# KiCad board 128CR.kicad_pcb
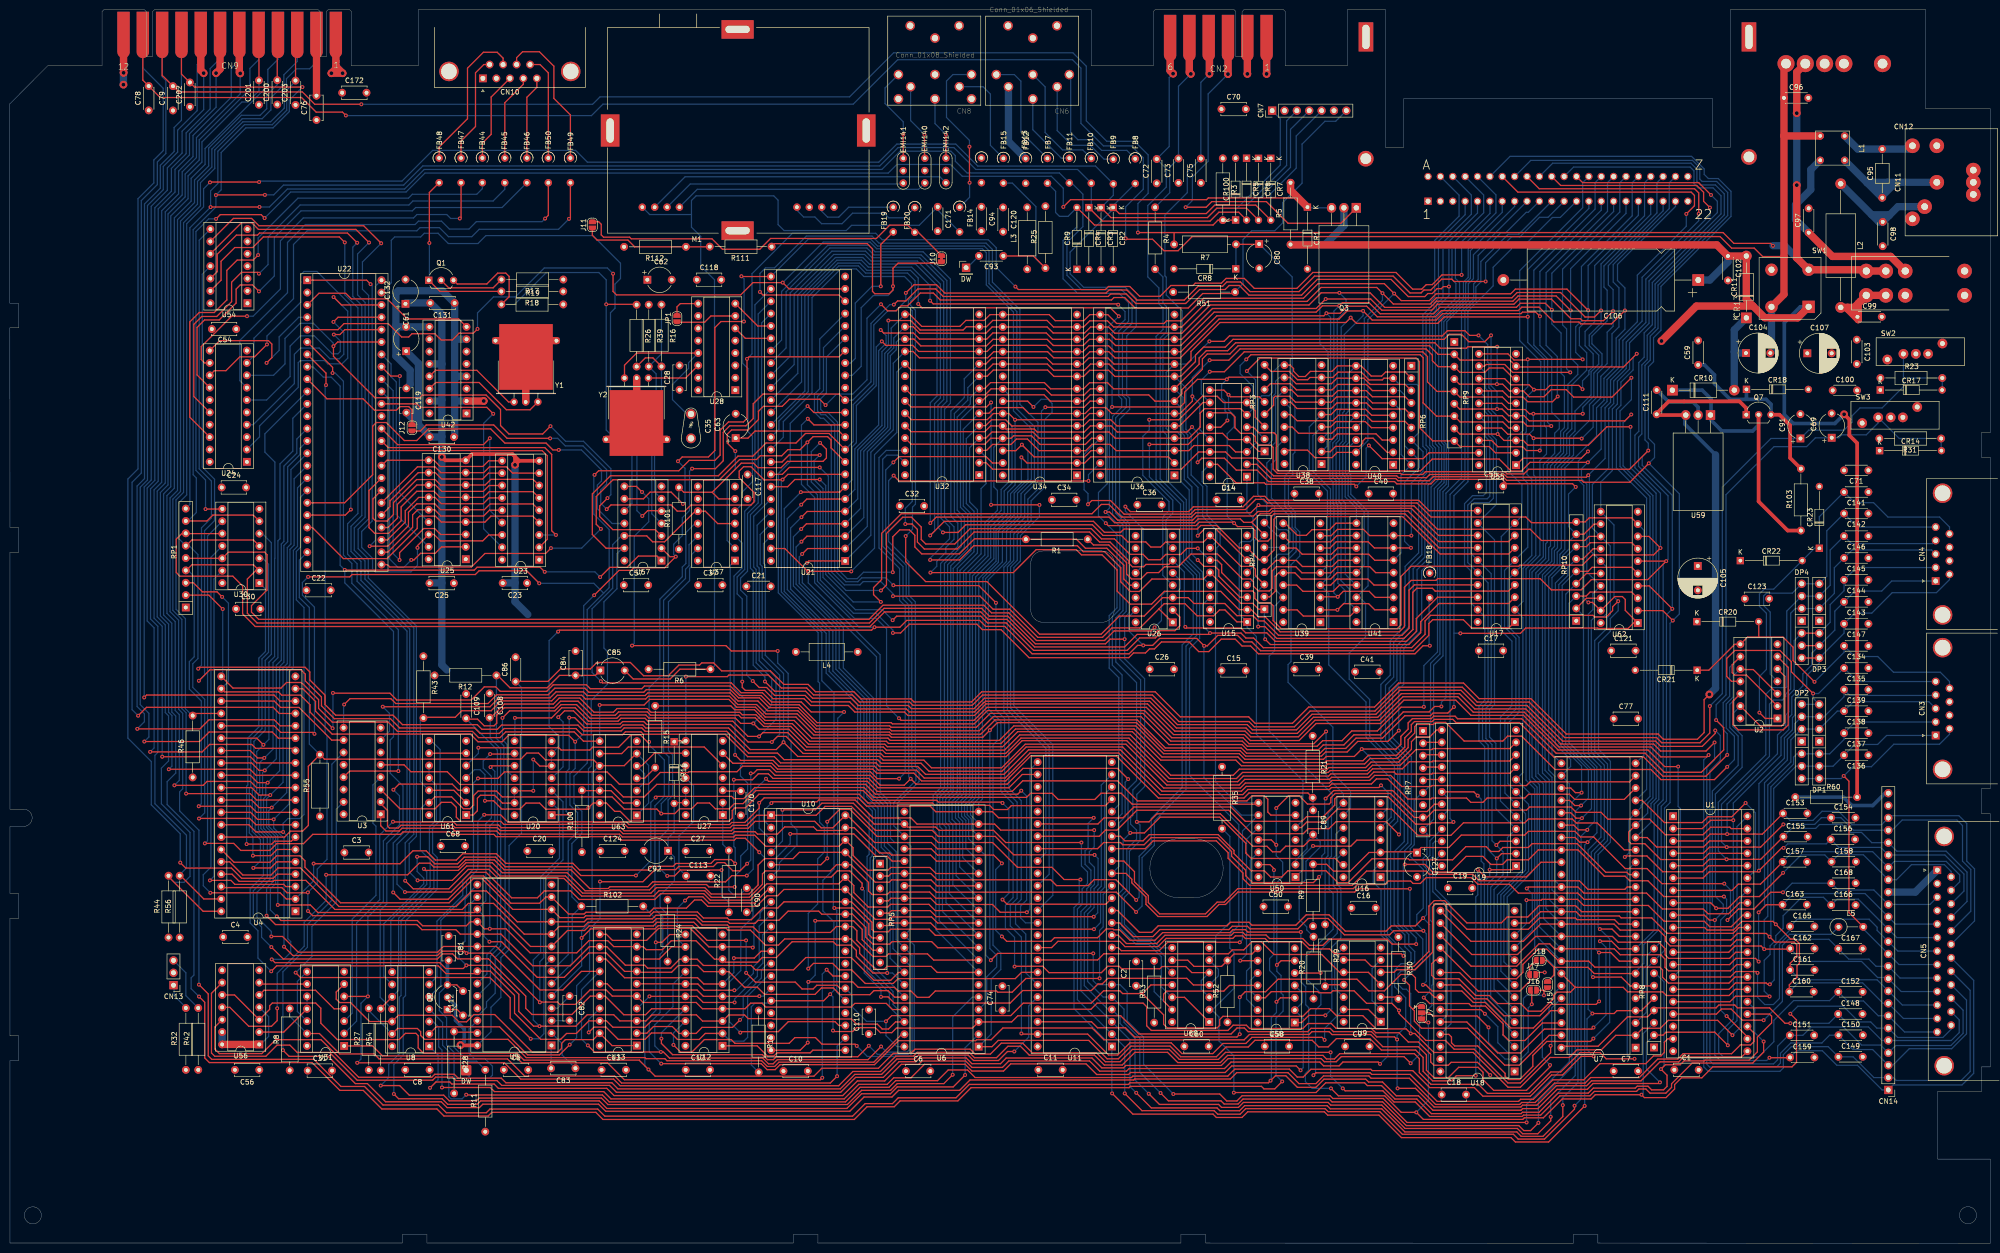
[diagram p0: board, top side]
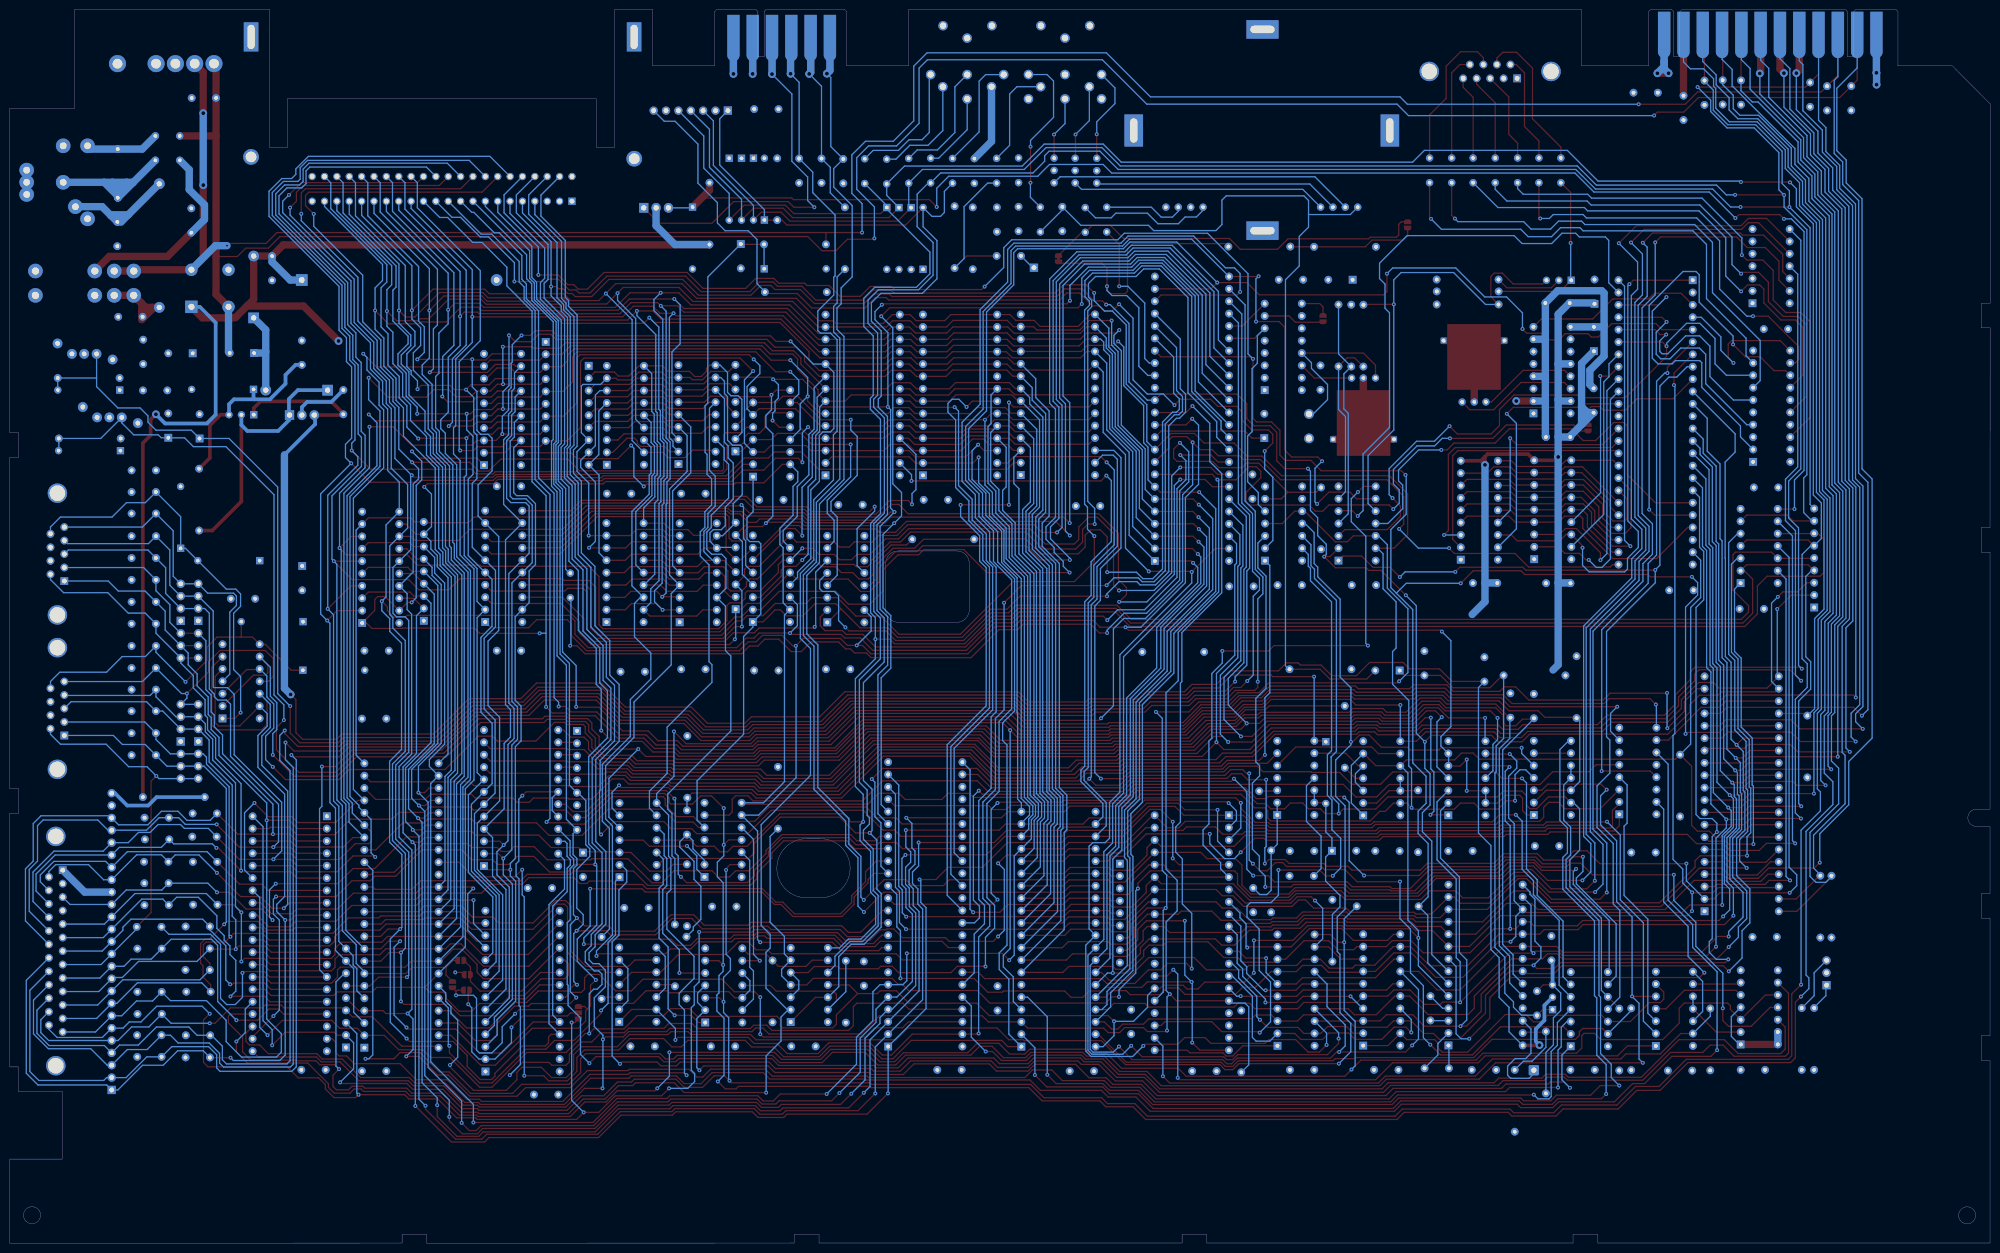
[diagram p1: board, bottom side, seen from below]

Outline 406.58 x 253.39 mm; copper layers: Top, In1.Cu, In2.Cu, Bottom. Coordinates in mm from the lower left corner of the outline.
Outline path: circle c4.75,5.74 r1.75 ; circle c402.01,5.77 r1.75 ; 0,234.04 7.77,241.86 18.95,241.86 18.95,253.01 19.33,253.39 27.66,253.39 28.04,253.01 28.04,243.74 29.31,243.74 29.31,253.01 29.69,253.39 63.32,253.39 63.7,253.01 63.7,243.74 64.97,243.74 64.97,253.01 65.35,253.39 69.77,253.39 70.15,253.01 70.15,241.86 83.87,241.86 83.87,253.39 222.05,253.39 222.05,241.86 234.75,241.86 234.75,253.01 235.13,253.39 251.33,253.39 251.71,253.01 251.71,243.74 252.98,243.74 252.98,253.01 253.36,253.39 261.49,253.39 261.87,253.01 261.87,241.86 274.57,241.86 274.57,253.39 282.45,253.39 282.45,225.09 286.13,225.09 286.13,235.1 349.63,235.1 349.63,225.09 353.19,225.09 353.19,253.39 393.32,253.39 393.32,233.07 406.58,233.07 406.55,166.52 404.77,166.52 404.77,161.44 406.55,161.44 406.55,93.37 404.77,93.37 404.77,88.29 406.55,88.29 406.55,36.22 404.77,36.22 404.77,31.14 395.78,31.14 395.78,17.3 406.55,17.3 406.55,0 326.03,0.05 326.03,1.83 320.95,1.83 320.95,0.03 245.52,0.05 245.52,1.83 240.44,1.83 240.44,0.05 165.91,0.05 165.91,1.83 160.83,1.83 160.83,0.05 85.65,0.05 85.65,1.83 80.57,1.83 80.57,0.05 0.05,0.05 0.05,37.54 1.83,37.54 1.83,42.62 0.05,42.62 0.05,66.75 1.83,66.75 1.83,71.83 0.05,71.83 0.05,85.62 2.79,85.62 arc(4.6,87.4) 2.79,89.18 0.05,89.18 0.05,141.94 1.83,141.94 1.83,147.02 0.05,147.02 0.03,188.04 1.8,188.04 1.78,193.12 0.03,193.12 0,234.04 ; 209.6,139.67 209.6,130.12 arc(210.34,128.31) 212.14,127.56 224.18,127.56 arc(225.99,128.29) 226.75,130.1 226.75,139.65 arc(226.01,141.46) 224.21,142.21 212.17,142.21 arc(210.35,141.48) 209.6,139.67 ; 240.13,83.11 243.03,83.11 arc(249.1,77.04) 243.03,70.97 240.13,70.97 arc(234.06,77.04) 240.13,83.11

## Placement (name value [footprint] x y rotation side)
C1  0.1 µF  [C_Disc_D5.0mm_W2.5mm_P5.00mm]  341.72 35.62 0 top
C2  10 nF  [C_Disc_D5.0mm_W2.5mm_P5.00mm]  231.23 52.89 90 top
C3  0.1 µF  [C_Disc_D5.0mm_W2.5mm_P5.00mm]  68.69 80.27 0 top
C4  0.1 µF  [C_Disc_D5.0mm_W2.5mm_P5.00mm]  43.81 62.91 0 top
C5  0.1 µF  [C_Disc_D5.0mm_W2.5mm_P5.00mm]  101.43 35.62 0 top
C6  0.22 µF  [C_Disc_D5.0mm_W2.5mm_P5.00mm]  183.98 35.37 0 top
C7  0.1 µF  [C_Disc_D5.0mm_W2.5mm_P5.00mm]  329.27 35.37 0 top
C8  0.1 µF  [C_Disc_D5.0mm_W2.5mm_P5.00mm]  86.19 35.62 180 top
C9  0.1 µF  [C_Disc_D5.0mm_W2.5mm_P5.00mm]  274.15 40.45 0 top
C10  0.1 µF  [C_Disc_D5.0mm_W2.5mm_P5.00mm]  158.84 35.37 0 top
C11  0.1 µF  [C_Disc_D5.0mm_W2.5mm_P5.00mm]  211.16 35.62 0 top
C12  0.1 µF  [C_Disc_D5.0mm_W2.5mm_P5.00mm]  138.77 35.62 0 top
C13  0.1 µF  [C_Disc_D5.0mm_W2.5mm_P5.00mm]  121.5 35.62 0 top
C14  0.1 µF  [C_Disc_D5.0mm_W2.5mm_P5.00mm]  247.74 152.72 0 top
C15  0.1 µF  [C_Disc_D5.0mm_W2.5mm_P5.00mm]  248.75 117.66 0 top
C16  0.1 µF  [C_Disc_D5.0mm_W2.5mm_P5.00mm]  275.42 68.9 0 top
C17  0.1 µF  [C_Disc_D5.0mm_W2.5mm_P5.00mm]  301.58 121.73 0 top
C18  0.1 µF  [C_Disc_D5.0mm_W2.5mm_P5.00mm]  293.96 30.54 0 top
C19  0.1 µF  [C_Disc_D5.0mm_W2.5mm_P5.00mm]  295.23 72.96 0 top
C20  0.1 µF  [C_Disc_D5.0mm_W2.5mm_P5.00mm]  106.26 80.58 0 top
C21  0.22 µF  [C_Disc_D4.3mm_W1.9mm_P5.00mm]  151.22 134.94 0 top
C22  0.1 µF  [C_Disc_D5.0mm_W2.5mm_P5.00mm]  60.9 134.14 0 top
C23  0.22 µF  [C_Disc_D5.0mm_W2.5mm_P5.00mm]  106.2 135.62 180 top
C24  0.1 µF  [C_Disc_D5.0mm_W2.5mm_P5.00mm]  43.52 155.26 0 top
C25  0.22 µF  [C_Disc_D5.0mm_W2.5mm_P5.00mm]  91.18 135.59 180 top
C26  0.1 µF  [C_Disc_D5.0mm_W2.5mm_P5.00mm]  234.02 117.92 0 top
C27  0.1 µF  [C_Disc_D5.0mm_W2.5mm_P5.00mm]  138.77 80.58 0 top
C28  0.22 µF  [C_Disc_D5.0mm_W2.5mm_P5.00mm]  137.5 175.32 90 top
C30  0.1 µF  [C_Disc_D5.0mm_W2.5mm_P5.00mm]  46.45 130.31 0 top
C31  0.1 µF  [C_Disc_D5.0mm_W2.5mm_P5.00mm]  61.17 35.47 0 top
C32  0.1 µF  [C_Disc_D5.0mm_W2.5mm_P5.00mm]  182.71 151.45 0 top
C34  0.1 µF  [C_Disc_D5.0mm_W2.5mm_P5.00mm]  213.95 152.72 0 top
C35  40pF  [C_Adjustable_L7.0mm_W4.5mm_P5.00mm]  139.85 170.34 270 top
C36  0.1 µF  [C_Disc_D5.0mm_W2.5mm_P5.00mm]  231.48 151.7 0 top
C37  0.1 µF  [C_Disc_D5.0mm_W2.5mm_P5.00mm]  141.31 135.19 0 top
C38  0.22 µF  [C_Disc_D5.0mm_W2.5mm_P5.00mm]  263.74 153.99 0 top
C39  0.22 µF  [C_Disc_D5.0mm_W2.5mm_P5.00mm]  263.74 117.92 0 top
C40  0.22 µF  [C_Disc_D5.0mm_W2.5mm_P5.00mm]  278.98 153.99 0 top
C41  0.22 µF  [C_Disc_D5.0mm_W2.5mm_P5.00mm]  276.18 117.41 0 top
C50  0.1 µF  [C_Disc_D5.0mm_W2.5mm_P5.00mm]  257.39 69.15 0 top
C54  0.1 µF  [C_Disc_D5.0mm_W2.5mm_P5.00mm]  41.49 187.8 0 top
C55  0.1 µF  [C_Disc_D5.0mm_W2.5mm_P5.00mm]  301.58 155.51 0 top
C56  0.1 µF  [C_Disc_D5.0mm_W2.5mm_P5.00mm]  51.23 35.62 180 top
C57  0.1 µF  [C_Disc_D5.0mm_W2.5mm_P5.00mm]  126.07 135.19 0 top
C58  0.1 µF  [C_Disc_D5.0mm_W2.5mm_P5.00mm]  257.64 40.45 0 top
C59  0.1 µF  [C_Disc_D4.3mm_W1.9mm_P5.00mm]  346.61 180.44 90 top
C60  0.1 µF  [C_Disc_D5.0mm_W2.5mm_P5.00mm]  241.13 40.45 0 top
C61  10 µF  [CP_Radial_D5.0mm_P5.00mm]  81.38 183.25 90 top
C62  10 µF  [CP_Radial_D5.0mm_P5.00mm]  130.9 197.93 0 top
C63  100 µF  [CP_Radial_D5.0mm_P5.00mm]  149.03 165.39 90 top
C68  0.1 µF  [C_Disc_D5.0mm_W2.5mm_P5.00mm]  88.48 81.6 0 top
C69  10µF  [CP_Radial_D5.0mm_P5.00mm]  374.03 165.47 90 top
C70  0.1 µF  [C_Disc_D5.0mm_W2.5mm_P5.00mm]  248.75 232.98 0 top
C71  0.1µF  [C_Disc_D4.3mm_W1.9mm_P5.00mm]  381.56 158.77 180 top
C72  470 pF  [C_Disc_D4.3mm_W1.9mm_P5.00mm]  235.46 217.73 90 top
C73  470 pF  [C_Disc_D4.3mm_W1.9mm_P5.00mm]  239.93 217.83 90 top
C74  10 nF  [C_Disc_D5.0mm_W2.5mm_P5.00mm]  203.79 47.81 90 top
C75  470 pF  [C_Disc_D4.3mm_W1.9mm_P5.00mm]  244.52 217.83 90 top
C76  0.1 µF  [C_Disc_D5.0mm_W2.5mm_P5.00mm]  62.97 230.74 90 top
C77  10 nF  [C_Disc_D5.0mm_W2.5mm_P5.00mm]  329.27 107.76 0 top
C78  1000 pF  [C_Disc_D4.3mm_W1.9mm_P5.00mm]  28.53 232.72 90 top
C79  1000 pF  [C_Disc_D4.3mm_W1.9mm_P5.00mm]  33.5 232.7 90 top
C80  2.2 µF  [CP_Radial_D5.0mm_P5.00mm]  256.5 205.27 270 top
C81  1000 pF  [C_Disc_D5.0mm_W2.5mm_P5.00mm]  90.09 63.11 270 top
C82  22 nF  [C_Disc_D5.0mm_W2.5mm_P5.00mm]  114.93 50.77 270 top
C83  22 nF  [C_Disc_D5.0mm_W2.5mm_P5.00mm]  116.13 35.94 180 top
C84  220 pF  [C_Disc_D5.0mm_W2.5mm_P5.00mm]  116.16 116.65 90 top
C85  10 µF  [CP_Radial_D5.0mm_P5.00mm]  121.24 117.66 0 top
C86  0.22 µF  [C_Disc_D4.3mm_W1.9mm_P5.00mm]  103.85 115.38 90 top
C89  47pF  [C_Disc_D4.3mm_W1.9mm_P5.00mm]  267.55 88.94 270 top
C90  360pF  [C_Disc_D4.3mm_W1.9mm_P5.00mm]  151.3 72.99 270 top
C91  1µF  [CP_Radial_D5.0mm_P5.00mm]  367.6 165.32 90 top
C92  10µF  [CP_Radial_D5.0mm_P5.00mm]  135.15 80.62 180 top
C93  0.1 µF  [C_Disc_D4.3mm_W1.9mm_P5.00mm]  203.97 202.82 180 top
C94  0.22 µF  [C_Disc_D4.3mm_W1.9mm_P5.00mm]  199.48 212.91 270 top
C95  220 nF  [C_Axial_L3.8mm_D2.6mm_P10.00mm_Horizontal]  384.4 214.77 90 top
C96  0.1 µF  [C_Disc_D4.3mm_W1.9mm_P5.00mm]  364.23 235.27 0 top
C97  0.1 µF  [C_Disc_D4.3mm_W1.9mm_P5.00mm]  369.3 207.59 90 top
C98  0.1 µF  [C_Disc_D4.3mm_W1.9mm_P5.00mm]  384.5 209.82 270 top
C99  0.1 µF  [C_Disc_D4.3mm_W1.9mm_P5.00mm]  379.31 190.31 0 top
C100  0.1 µF  [C_Disc_D4.3mm_W1.9mm_P5.00mm]  374.23 175.2 0 top
C102  0.1 µF  [C_Disc_D4.3mm_W1.9mm_P5.00mm]  352.73 202.79 270 top
C103  10 nF  [C_Disc_D4.3mm_W1.9mm_P5.00mm]  379.18 185.61 270 top
C104  220 µF  [CP_Radial_D8.0mm_P5.00mm]  356.43 182.87 0 top
C105  220 µF  [CP_Radial_D8.0mm_P5.00mm]  346.54 139.13 270 top
C106  1000 µF  [CP_Axial_L30.0mm_D12.5mm_P40.00mm_Horizontal]  346.63 197.87 180 top
C107  100 µF  [CP_Radial_D8.0mm_P5.00mm]  369.02 182.82 0 top
C108  2.2 nF  [C_Disc_D4.3mm_W1.9mm_P5.00mm]  98.51 112.97 270 top
C109  2.2 nF  [C_Disc_D4.3mm_W1.9mm_P5.00mm]  93.69 112.84 270 top
C110  10 nF  [C_Disc_D5.0mm_W2.5mm_P5.00mm]  176.36 42.99 90 top
C111  0.1 µF  [C_Disc_D4.3mm_W1.9mm_P5.00mm]  338.09 170.28 90 top
C112  470 pF  [C_Disc_D5.0mm_W2.5mm_P5.00mm]  93.05 46.8 90 top
C113  0.01µF  [C_Disc_D4.3mm_W1.9mm_P5.00mm]  138.85 75.47 0 top
C117  0.22 µF  [C_Disc_D4.3mm_W1.9mm_P5.00mm]  151.47 157.92 270 top
C118  10 nF  [C_Disc_D5.0mm_W2.5mm_P5.00mm]  141.06 197.93 0 top
C119  10 nF  [C_Disc_D5.0mm_W2.5mm_P5.00mm]  81.43 175.62 270 top
C120  10 nF  [C_Disc_D4.3mm_W1.9mm_P5.00mm]  203.92 212.79 270 top
C121  10 nF  [C_Disc_D5.0mm_W2.5mm_P5.00mm]  328.76 121.73 0 top
C123  10 nF  [C_Disc_D5.0mm_W2.5mm_P5.00mm]  356.19 132.4 0 top
C124  0.1 µF  [C_Disc_D5.0mm_W2.5mm_P5.00mm]  121.24 80.58 0 top
C127  4.7 µF  [CP_Radial_D5.0mm_P5.00mm]  288.9 80.24 270 top
C130  0.22 µF  [C_Disc_D5.0mm_W2.5mm_P5.00mm]  91.2 165.62 180 top
C131  10 nF  [C_Disc_D5.0mm_W2.5mm_P5.00mm]  91.33 193.14 180 top
C132  10 µF  [CP_Radial_D5.0mm_P5.00mm]  81.24 192.98 90 top
C134  47 pF  [C_Disc_D4.3mm_W1.9mm_P5.00mm]  381.56 122.7 180 top
C135  47 pF  [C_Disc_D4.3mm_W1.9mm_P5.00mm]  381.56 118.17 180 top
C136  100 pF  [C_Disc_D4.3mm_W1.9mm_P5.00mm]  381.56 100.26 180 top
C137  100 pF  [C_Disc_D4.3mm_W1.9mm_P5.00mm]  381.56 104.79 180 top
C138  100 pF  [C_Disc_D4.3mm_W1.9mm_P5.00mm]  381.56 109.32 180 top
C139  100 pF  [C_Disc_D4.3mm_W1.9mm_P5.00mm]  381.56 113.73 180 top
C141  47 pF  [C_Disc_D4.3mm_W1.9mm_P5.00mm]  381.56 154.32 180 top
C142  47 pF  [C_Disc_D4.3mm_W1.9mm_P5.00mm]  381.56 149.9 180 top
C143  100 pF  [C_Disc_D4.3mm_W1.9mm_P5.00mm]  381.56 131.75 180 top
C144  100 pF  [C_Disc_D4.3mm_W1.9mm_P5.00mm]  381.56 136.27 180 top
C145  100 pF  [C_Disc_D4.3mm_W1.9mm_P5.00mm]  381.56 140.77 180 top
C146  100 pF  [C_Disc_D4.3mm_W1.9mm_P5.00mm]  381.56 145.26 180 top
C147  100 pF  [C_Disc_D4.3mm_W1.9mm_P5.00mm]  381.56 127.25 180 top
C148  100pF  [C_Disc_D4.3mm_W1.9mm_P5.00mm]  375.35 47.09 0 top
C149  100pF  [C_Disc_D4.3mm_W1.9mm_P5.00mm]  375.4 38.29 0 top
C150  100pF  [C_Disc_D4.3mm_W1.9mm_P5.00mm]  375.43 42.74 0 top
C151  100pF  [C_Disc_D4.3mm_W1.9mm_P5.00mm]  365.43 42.72 0 top
C152  100pF  [C_Disc_D4.3mm_W1.9mm_P5.00mm]  375.38 51.64 0 top
C153  100pF  [C_Disc_D4.3mm_W1.9mm_P5.00mm]  364.03 88.29 0 top
C154  100pF  [C_Disc_D4.3mm_W1.9mm_P5.00mm]  373.9 87.42 0 top
C155  100pF  [C_Disc_D4.3mm_W1.9mm_P5.00mm]  364.1 83.52 0 top
C156  100pF  [C_Disc_D4.3mm_W1.9mm_P5.00mm]  373.83 82.97 0 top
C157  100pF  [C_Disc_D4.3mm_W1.9mm_P5.00mm]  363.98 78.34 0 top
C158  100pF  [C_Disc_D4.3mm_W1.9mm_P5.00mm]  374 78.37 0 top
C159  100pF  [C_Disc_D4.3mm_W1.9mm_P5.00mm]  365.48 38.17 0 top
C160  100pF  [C_Disc_D4.3mm_W1.9mm_P5.00mm]  365.33 51.67 0 top
C161  100pF  [C_Disc_D4.3mm_W1.9mm_P5.00mm]  365.5 56.14 0 top
C162  100pF  [C_Disc_D4.3mm_W1.9mm_P5.00mm]  365.5 60.54 0 top
C163  100pF  [C_Disc_D4.3mm_W1.9mm_P5.00mm]  363.93 69.54 0 top
C165  100pF  [C_Disc_D4.3mm_W1.9mm_P5.00mm]  365.48 65.07 0 top
C166  100pF  [C_Disc_D4.3mm_W1.9mm_P5.00mm]  373.93 69.47 0 top
C167  100pF  [C_Disc_D4.3mm_W1.9mm_P5.00mm]  375.38 60.52 0 top
C168  100pF  [C_Disc_D4.3mm_W1.9mm_P5.00mm]  373.95 73.97 0 top
C170  0.01µF  [C_Disc_D4.3mm_W1.9mm_P5.00mm]  150.08 92.89 270 top
C171  100pF  [C_Disc_D4.3mm_W1.9mm_P5.00mm]  190.5 212.91 270 top
C172  470 pF  [C_Disc_D5.0mm_W2.5mm_P5.00mm]  68.24 236.35 0 top
C200  150 pF  [C_Disc_D4.3mm_W1.9mm_P5.00mm]  54.92 233.92 90 top
C201  150 pF  [C_Disc_D4.3mm_W1.9mm_P5.00mm]  51.16 233.88 90 top
C202  680 pF  [C_Disc_D4.3mm_W1.9mm_P5.00mm]  36.98 233.45 90 top
C203  150 pF  [C_Disc_D4.3mm_W1.9mm_P5.00mm]  58.67 233.84 90 top
CN1  Expansion bus  [EXPANSIONPORT]  317.83 216.59 0 top
CN2  Conn_02x06_Row_Letter_Last  [CASSETTEPORT]  248.11 244.08 0 top
CN3  Control Port 1  [DSUB-9_Male_Horizontal_P2.77x2.84mm_EdgePinOffset9.90mm_Housed_MountingHolesOffset11.32mm]  395.37 104.31 90 top
CN4  Control Port 2  [DSUB-9_Male_Horizontal_P2.77x2.84mm_EdgePinOffset9.90mm_Housed_MountingHolesOffset11.32mm]  395.37 136.04 90 top
CN5  Keyboard  [DSUB-25_Female_Horizontal_P2.77x2.84mm_EdgePinOffset9.90mm_Housed_MountingHolesOffset11.32mm]  395.7 76.64 90 top
CN6  Conn_01x06_Shielded  [Connector_DIN_Female_6Pin_3rows]  210.03 240.07 180 top
CN7  Conn_01x07  [PinHeader_1x07_P2.54mm_Vertical]  259.15 232.67 90 top
CN8  Conn_01x08_Shielded  [Connector_DIN_Female_8Pin_3rows]  189.94 240.08 180 top
CN9  User Port  [USERPORT]  45.15 244.73 0 top
CN10  RGBI DB9 Connector  [DSUB-9_Female_Horizontal_P2.77x2.84mm_EdgePinOffset7.70mm_Housed_MountingHolesOffset9.12mm]  97.13 239.29 180 top
CN11  5 pin square DIN  [Connector_Power_5pin_252167_01]  398.6 217.94 90 top
CN12  C128D_Power_Conn  [CN12_C128D_power]  380.78 242.19 180 top
CN13  Conn_01x03  [PinHeader_1x03_P2.54mm_Vertical]  33.61 53.02 180 top
CN14  Conn_01x25  [PinHeader_1x25_P2.54mm_Vertical]  385.65 31.49 180 top
CR1  6.8V  [D_DO-34_SOD68_P12.70mm_Horizontal]  266.4 212.84 270 top
CR2  1N4148  [D_DO-34_SOD68_P12.70mm_Horizontal]  226.53 212.77 270 top
CR3  1N4148  [D_DO-34_SOD68_P12.70mm_Horizontal]  224.03 212.74 270 top
CR4  1N4148  [D_DO-34_SOD68_P12.70mm_Horizontal]  221.53 212.74 270 top
CR5  1N4148  [D_DO-34_SOD68_P12.70mm_Horizontal]  253.9 222.89 270 top
CR6  1N4148  [D_DO-34_SOD68_P12.70mm_Horizontal]  256.35 222.87 270 top
CR7  1N4148  [D_DO-34_SOD68_P12.70mm_Horizontal]  258.88 222.87 270 top
CR8  2.7V  [D_DO-34_SOD68_P12.70mm_Horizontal]  251.68 200.17 180 top
CR9  1N4148  [D_DO-34_SOD68_P12.70mm_Horizontal]  219.08 200.07 90 top
CR10  1N4001  [D_DO-41_SOD81_P12.70mm_Horizontal]  341.33 175.24 0 top
CR11  1N4001  [D_DO-41_SOD81_P12.70mm_Horizontal]  356.5 190.09 90 top
CR13  D_Bridge_+A-A  [BRIDGE_RECTIFIER]  365.48 196.17 90 top
CR14  1N4148  [D_DO-34_SOD68_P12.70mm_Horizontal]  383.85 162.82 0 top
CR16  1N4148  [D_DO-34_SOD68_P12.70mm_Horizontal]  136.4 103.04 270 top
CR17  1N4148  [D_DO-34_SOD68_P12.70mm_Horizontal]  384 175.27 0 top
CR18  A111  [D_DO-34_SOD68_P12.70mm_Horizontal]  356.53 175.41 0 top
CR20  1N4148  [D_DO-34_SOD68_P12.70mm_Horizontal]  346.35 127.7 0 top
CR21  1N4148  [D_DO-34_SOD68_P12.70mm_Horizontal]  346.4 117.72 180 top
CR22  1N4148  [D_DO-34_SOD68_P12.70mm_Horizontal]  355.27 140.23 0 top
CR23  1N4148  [D_DO-34_SOD68_P12.70mm_Horizontal]  371.49 142.76 90 top
CR100  1N4148  [D_DO-34_SOD68_P12.70mm_Horizontal]  251.65 210.19 90 top
DP1  DAN601  [SIP-DAN_DAP-601]  371.47 95.46 180 top
DP2  DAP601  [SIP-DAN_DAP-601]  367.87 110.71 0 top
DP3  DAN601  [SIP-DAN_DAP-601]  371.47 120.23 180 top
DP4  DAP601  [SIP-DAN_DAP-601]  367.87 135.48 0 top
DW1  DW  [SolderWire-0.5sqmm_1x01_D0.9mm_OD2.1mm]  93.7 35.55 0 top
DW2  DW  [PinHeader_1x01_P2.54mm_Vertical]  196.32 200.4 0 top
EMI140  EMI_Filter_LCL  [EMI-Filter]  187.86 222.89 270 top
EMI141  EMI_Filter_LCL  [EMI-Filter]  183.42 222.87 270 top
EMI142  EMI_Filter_LCL  [EMI-Filter]  192.18 222.92 270 top
FB7  Ferrite_Bead_Small  [Ferrite_Bead_vertical_2_pin]  213.03 222.84 270 top
FB8  Ferrite_Bead_Small  [Ferrite_Bead_vertical_2_pin]  231.05 222.77 270 top
FB9  Ferrite_Bead_Small  [Ferrite_Bead_vertical_2_pin]  226.55 222.69 270 top
FB10  Ferrite_Bead_Small  [Ferrite_Bead_vertical_2_pin]  222.03 222.84 270 top
FB11  Ferrite_Bead_Small  [Ferrite_Bead_vertical_2_pin]  217.53 222.89 270 top
FB12  Ferrite_Bead_Small  [Ferrite_Bead_vertical_2_pin]  208.55 222.82 270 top
FB13  Ferrite_Bead_Small  [Ferrite_Bead_vertical_2_pin]  199.48 222.95 270 top
FB14  Ferrite_Bead_Small  [Ferrite_Bead_vertical_2_pin]  195 212.83 270 top
FB15  Ferrite_Bead_Small  [Ferrite_Bead_vertical_2_pin]  203.98 222.86 270 top
FB18  Ferrite_Bead_Small  [Ferrite_Bead_vertical_2_pin]  291.49 137.67 270 top
FB19  Ferrite_Bead_Small  [Ferrite_Bead_vertical_2_pin]  181.37 212.82 270 top
FB20  Ferrite_Bead_Small  [Ferrite_Bead_vertical_2_pin]  185.79 212.75 270 top
FB44  Ferrite_Bead_Small  [Ferrite_Bead_vertical_2_pin]  97.03 222.94 270 top
FB45  Ferrite_Bead_Small  [Ferrite_Bead_vertical_2_pin]  101.63 222.94 270 top
FB46  Ferrite_Bead_Small  [Ferrite_Bead_vertical_2_pin]  106.16 222.94 270 top
FB47  Ferrite_Bead_Small  [Ferrite_Bead_vertical_2_pin]  92.65 222.94 270 top
FB48  Ferrite_Bead_Small  [Ferrite_Bead_vertical_2_pin]  88.15 222.94 270 top
FB49  Ferrite_Bead_Small  [Ferrite_Bead_vertical_2_pin]  115.1 222.94 270 top
FB50  Ferrite_Bead_Small  [Ferrite_Bead_vertical_2_pin]  110.56 222.94 270 top
J7  SolderJumper_2_Open  [SolderJumper-3_P1.3mm_Open_RoundedPad1.0x1.5mm]  289.83 47.35 270 top
J10  SolderJumper_2_Open  [SolderJumper-2_P1.3mm_Bridged_RoundedPad1.0x1.5mm]  191.28 202.25 90 top
J11  SolderJumper_2_Open  [SolderJumper-2_P1.3mm_Open_RoundedPad1.0x1.5mm]  119.61 209.19 90 top
J12  SolderJumper_2_Open  [SolderJumper-2_P1.3mm_Open_RoundedPad1.0x1.5mm]  82.58 167.52 270 top
J15  SolderJumper_2_Open  [SolderJumper-2_P1.3mm_Open_RoundedPad1.0x1.5mm]  315.69 53.13 90 top
J16  SolderJumper_2_Open  [SolderJumper-2_P1.3mm_Open_RoundedPad1.0x1.5mm]  312.8 51.99 0 top
J17  SolderJumper_2_Open  [SolderJumper-2_P1.3mm_Open_RoundedPad1.0x1.5mm]  312.65 55.18 0 top
J18  SolderJumper_2_Open  [SolderJumper-2_P1.3mm_Open_RoundedPad1.0x1.5mm]  313.99 58.11 0 top
JP1  Jumper_2_Open  [SolderJumper-2_P1.3mm_Open_RoundedPad1.0x1.5mm]  136.98 189.94 90 top
L1  EMI_Filter_CommonMode  [Commonmode_Choke_5mmx5mm]  374.18 224.97 270 top
L2  3.3 µH  [L_Axial_L12.8mm_D5.8mm_P25.40mm_Horizontal_Fastron_HBCC]  375.88 217.64 270 top
L3  2.2 µH  [L_Axial_L7.0mm_D3.3mm_P12.70mm_Horizontal_Fastron_MICC]  208.87 200.09 90 top
L4  2.2 µH  [L_Axial_L7.0mm_D3.3mm_P12.70mm_Horizontal_Fastron_MICC]  174.08 121.47 180 top
L5  2.2µH  [L_Axial_L7.0mm_D3.3mm_P5.08mm_Vertical_Fastron_MICC]  375.43 64.99 0 top
M1  RF_Modulator  [RF_modulator]  123.25 208.01 0 top
Q1  2SC1815  [TO-92L_Inline_Wide]  86.02 197.82 0 top
Q2  2SC1815  [TO-92_Inline_Wide]  89.85 48 90 top
Q3  2SD880  [TO-220-3_Horizontal_TabDown_NoHole]  276.43 212.7 180 top
Q7  D789D  [TO-92L_Inline_Wide]  356.48 170.2 0 top
R1  68  [R_Axial_DIN0207_L6.3mm_D2.5mm_P12.7mm_Horizontal]  221.3 144.62 180 top
R3  1k  [R_Axial_DIN0207_L6.3mm_D2.5mm_P12.7mm_Horizontal]  249.03 222.87 270 top
R4  100  [R_Axial_DIN0207_L6.3mm_D2.5mm_P12.7mm_Horizontal]  235.13 212.8 270 top
R5  100  [R_Axial_DIN0207_L6.3mm_D2.5mm_P12.7mm_Horizontal]  262.93 205.16 90 top
R6  47k  [R_Axial_DIN0207_L6.3mm_D2.5mm_P12.7mm_Horizontal]  143.85 117.92 180 top
R7  560  [R_Axial_DIN0309_L9.0mm_D3.2mm_P12.70mm_Horizontal]  251.73 205.19 180 top
R8  3.3k  [R_Axial_DIN0309_L9.0mm_D3.2mm_P12.70mm_Horizontal]  57.48 35.52 90 top
R9  10k  [R_Axial_DIN0207_L6.3mm_D2.5mm_P12.7mm_Horizontal]  267.55 65.14 90 top
R10  3.3k  [R_Axial_DIN0207_L6.3mm_D2.5mm_P12.7mm_Horizontal]  153.76 47.81 270 top
R11  1k  [R_Axial_DIN0207_L6.3mm_D2.5mm_P12.7mm_Horizontal]  97.62 22.92 90 top
R12  10k  [R_Axial_DIN0207_L6.3mm_D2.5mm_P12.7mm_Horizontal]  99.91 116.65 180 top
R15  100  [R_Axial_DIN0207_L6.3mm_D2.5mm_P12.7mm_Horizontal]  132.5 110.39 270 top
R16  120  [R_Axial_DIN0207_L6.3mm_D2.5mm_P12.7mm_Horizontal]  133.79 192.82 270 top
R17  47  [R_Axial_DIN0207_L6.3mm_D2.5mm_P12.7mm_Horizontal]  113.64 197.97 180 top
R18  82  [R_Axial_DIN0207_L6.3mm_D2.5mm_P12.7mm_Horizontal]  113.62 195.53 180 top
R19  330  [R_Axial_DIN0207_L6.3mm_D2.5mm_P12.7mm_Horizontal]  100.93 192.85 0 top
R20  10k  [R_Axial_DIN0207_L6.3mm_D2.5mm_P12.7mm_Horizontal]  267.65 50.27 90 top
R21  470k  [R_Axial_DIN0207_L6.3mm_D2.5mm_P12.7mm_Horizontal]  267.48 104.22 270 top
R22  47k  [R_Axial_DIN0207_L6.3mm_D2.5mm_P12.7mm_Horizontal]  147.63 67.99 90 top
R23  100k  [R_Axial_DIN0207_L6.3mm_D2.5mm_P12.7mm_Horizontal]  384.03 177.74 0 top
R24  47k  [R_Axial_DIN0207_L6.3mm_D2.5mm_P12.7mm_Horizontal]  135.05 70.57 270 top
R25  68  [R_Axial_DIN0207_L6.3mm_D2.5mm_P12.7mm_Horizontal]  212.61 200.33 90 top
R26  100  [R_Axial_DIN0207_L6.3mm_D2.5mm_P12.7mm_Horizontal]  128.69 192.79 270 top
R27  3.3k  [R_Axial_DIN0207_L6.3mm_D2.5mm_P12.7mm_Horizontal]  73.7 35.57 90 top
R28  10k  [R_Axial_DIN0207_L6.3mm_D2.5mm_P12.7mm_Horizontal]  91.22 43.5 270 top
R29  68  [R_Axial_DIN0207_L6.3mm_D2.5mm_P12.7mm_Horizontal]  270.03 65.49 270 top
R30  68  [R_Axial_DIN0207_L6.3mm_D2.5mm_P12.7mm_Horizontal]  285.08 62.92 270 top
R31  180k  [R_Axial_DIN0207_L6.3mm_D2.5mm_P12.7mm_Horizontal]  396.5 165.32 180 top
R32  180  [R_Axial_DIN0207_L6.3mm_D2.5mm_P12.7mm_Horizontal]  36.15 35.62 90 top
R35  180  [R_Axial_DIN0309_L9.0mm_D3.2mm_P12.70mm_Horizontal]  248.88 97.87 270 top
R39  120  [R_Axial_DIN0207_L6.3mm_D2.5mm_P12.7mm_Horizontal]  131.18 192.8 270 top
R42  180  [R_Axial_DIN0207_L6.3mm_D2.5mm_P12.7mm_Horizontal]  38.69 35.62 90 top
R43  3.3k  [R_Axial_DIN0207_L6.3mm_D2.5mm_P12.7mm_Horizontal]  84.92 120.59 270 top
R44  3.3k  [R_Axial_DIN0207_L6.3mm_D2.5mm_P12.7mm_Horizontal]  32.6 62.8 90 top
R46  3.3k  [R_Axial_DIN0207_L6.3mm_D2.5mm_P12.7mm_Horizontal]  37.55 95.69 90 top
R51  1k  [R_Axial_DIN0207_L6.3mm_D2.5mm_P12.7mm_Horizontal]  251.55 195.39 180 top
R52  1k  [R_Axial_DIN0207_L6.3mm_D2.5mm_P12.7mm_Horizontal]  249.98 45.39 90 top